# KiCad board analog_i.kicad_pcb (continued)
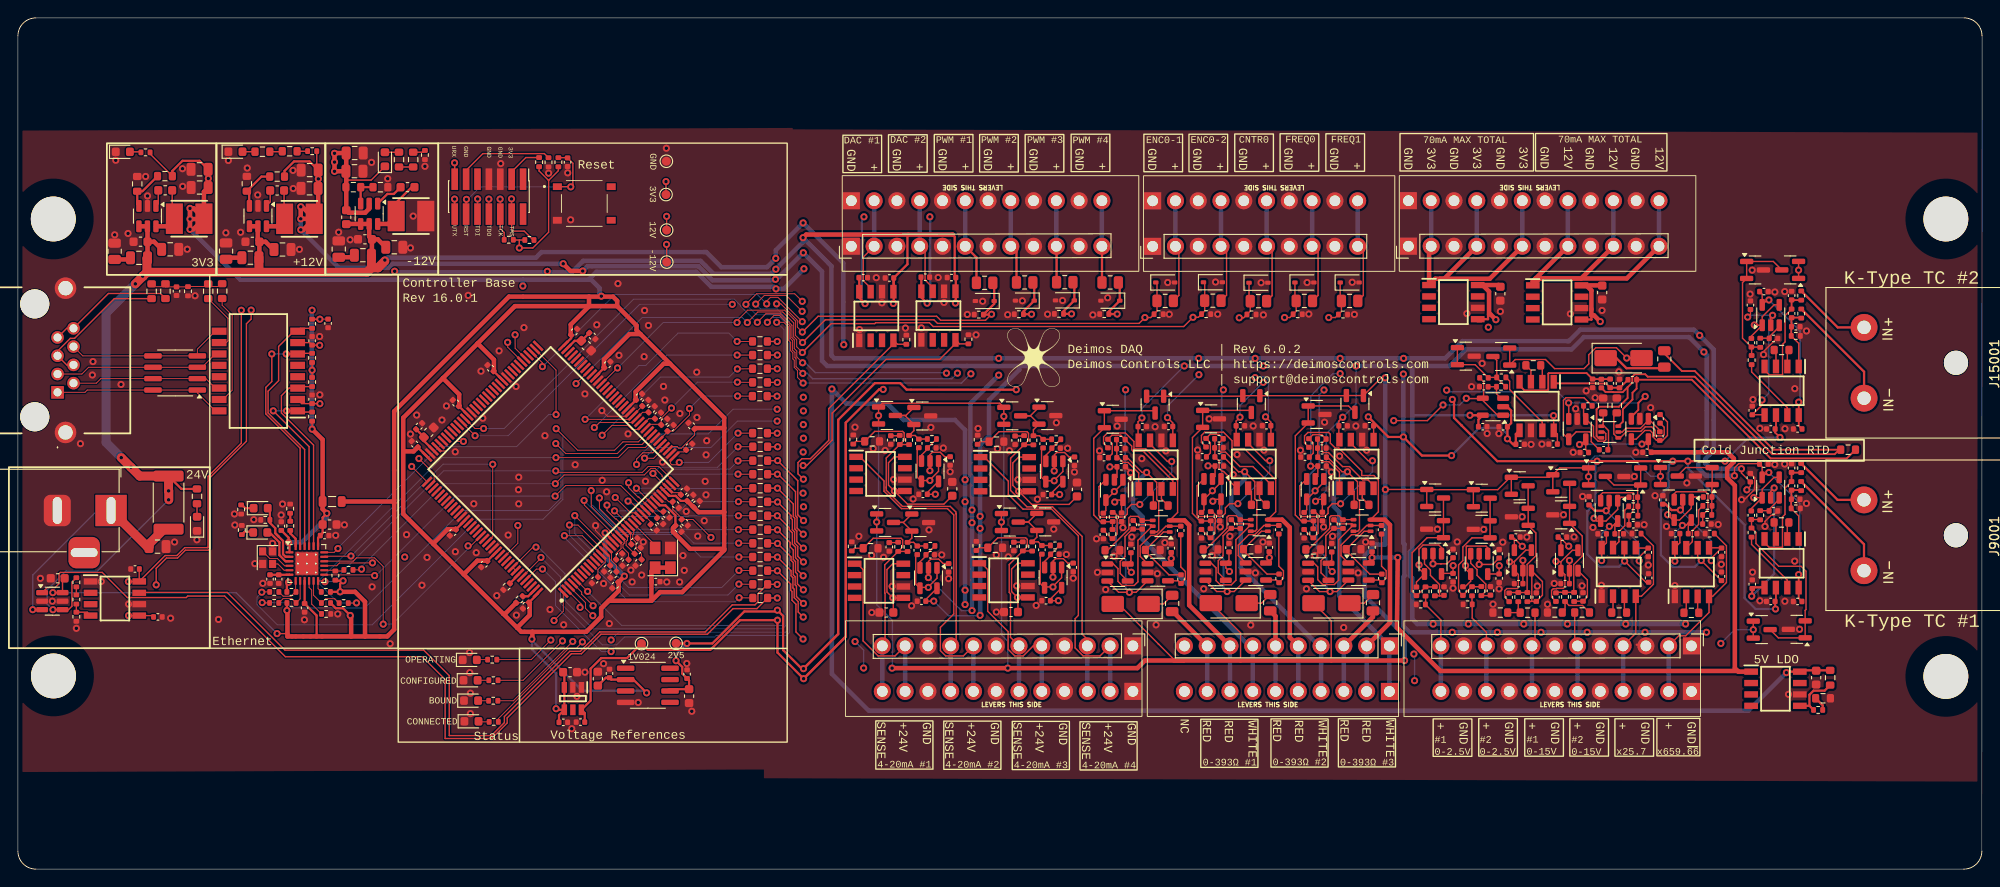
[diagram p0: board, top side]
## Routing (per net, layer and track width the routed paths; a pad name or vN(x,y) marks a point on that pad's centre or on a via; arc(x,y) is an arc through that point) (continued)
Net-(U7001-RXD1/MODE1): length 3.5
  Top w0.1: 30.97,30.98 30.45,30.46 29.58,30.46 R7003.1 ; 30.97,30.98 R7004.2 ; 30.97,30.98 U7001.7
Net-(U7001-RXER/PHYAD0): length 4.3
  Top w0.1: R7010.2 32.76,29.58 32.76,31.15 32.47,31.44 U7001.10
Net-(U7001-VDDCR): length 2.2
  Top w0.25: C7004.2 C7003.2 30.27,32.85 U7001.6
Net-(U7001-XTAL1/CLKIN): length 2.2
  Top w0.1: U7001.5 29.69,33.35 28.98,34.06 Y7001.3
Net-(U7001-XTAL2): length 3.7
  Top w0.1: Y7001.1 28.09,34.66 28.94,34.66 29.74,33.85 U7001.4
Net-(U7001-~{INT}/REFCLKO): length 2.3
  Top w0.1: R7007.1 36.22,33.27 R7009.2 35.31,33.35 U7001.14
Net-(U8001-+): length 25.9
  Top w0.15: 1.64,28.94 v1(1.65,28.95) U8001.3
  Top w1: 16.98,37.94 R8004.2 16.29,37.94 14.62,36.27 C8003.1 14.41,35.99 J8001.1
  Bottom w0.15: J8001.1 8.84,40.02 1.65,32.83 v1(1.65,28.95)
Net-(U13001-S1): length 8.8
  Top w0.15: U13001.1 138.66,37.7 R13006.1 136.66,35.56 139.29,32.93 R23001.1
Net-(U13001-S2): length 7.8
  Top w0.15: R13009.1 132.46,35.68 134.82,38.04 134.82,39.27 135,39.45 135.84,39.45 R23002.2 136.32,39 U13001.4
Net-(U15001-+): length 2.5
  Top w0.15: C15005.2 R15006.1 164.88,53.05 165.41,52.51
Net-(U17001-S1): length 8.8
  Top w0.15: R26001.1 150.75,32.92 148.11,35.55 R17006.1 150.12,37.7 U17001.1
Net-(U17001-S2): length 7.8
  Top w0.15: R17009.1 143.91,35.67 146.27,38.03 146.27,39.27 146.45,39.45 147.29,39.45 R26002.2 147.78,39 U17001.4
Net-(U17002-+): length 2.8
  Top w0.15: R17007.2 195.13,40 196.4,41.27 U17002.3
Net-(U19001-+): length 2.9
  Top w0.15: C19001.2 195.26,59.2 ; U19001.3 196.41,60.52 195.14,59.25 R19002.2
Net-(U21001-+): length 10.4
  Top w0.15: R21002.2 122.57,37.4 122.57,39.1 122.41,39.27 120.73,39.27 120.55,39.45 120.55,42.69 U21001.3 ; C21001.2 122.03,36.83 122.05,36.83
Net-(U24001-+): length 10.3
  Top w0.15: U24001.3 131.49,42.77 131.49,39.54 131.67,39.36 133.3,39.36 133.52,39.13 133.52,38.61 133.48,38.58 133.48,37.46 R24002.2 ; C24002.2 132.97,36.92 132.99,36.92
Net-(U27001-+): length 10.3
  Top w0.15: R27002.2 144.97,37.49 144.97,39.15 144.77,39.35 143.12,39.35 142.94,39.53 142.94,42.77 U27001.3 ; C27001.2 144.42,36.91 144.44,36.91
Net-(U29001-+): length 3.2
  Top w0.15: U29001.3 114.62,46.18 115.29,46.85 C29001.2 115.3,46.98 R29002.2
Net-(U31001-+): length 3.2
  Top w0.15: U31001.3 114.48,34.33 115.15,35 C31001.2 115.16,35.13 R31002.2
Net-(U33001-+): length 3.2
  Top w0.15: U33001.3 100.76,46.21 101.43,46.88 101.43,47.01 101.44,47.01 R33002.2
Net-(U35001-+): length 3.2
  Top w0.15: R35002.2 101.27,35.08 C35001.2 101.26,34.95 100.59,34.28 U35001.3
Net-(U37001-+): length 8.2
  Top w0.15: U37001.3 184.69,41.89 184.92,42.12 188.21,42.12 188.45,41.88 188.45,40.11 R37002.1 187.87,39.52 C37001.2
Net-(U39001-+): length 8.2
  Top w0.15: C39001.2 179.65,39.42 R39002.2 180.07,39.89 180.07,40.17 180.16,40.26 180.16,41.99 180.13,42.01 176.72,42.01 176.49,41.78 U39001.3
Net-(U41001-+): length 5
  Top w0.15: R41002.2 173.57,29.9 C41001.2 175.01,30.38 175.01,32.26 U41001.3
Net-(U43001-+): length 8.7
  Top w0.15: 168.82,29.88 C43001.2 170,30.57 170,32.09 U43001.3 168.82,33.27 168.82,29.88 168.82,29.88 ; 168.82,29.88 168.35,29.88 R43002.2
Net-(U45001-+): length 6.6
  Top w0.15: C45001.2 164.15,30.52 R45002.2 163.68,31.02 163.68,31.81 162.71,32.78 162.71,33.43 162,34.14 U45001.3
Net-(U47001-+): length 6.4
  Top w0.15: U47001.3 156.85,34.06 157.51,33.4 157.51,32.77 158.53,31.76 158.53,30.5 ; 158.53,30.5 158.97,30.5 C47001.2 ; 158.53,30.5 R47002.2
unconnected-(J6001-Pin_2-Pad2): length 1.3
  Top w0.1: 56.56,72.41 56.56,73.07 56.23,73.4 56.23,73.5 56.13,73.5

## Copper pours and planes (outline as drawn; the poured copper is in the pictures)
+3V3 on In2.Cu: 37.67,27.15 29.04,27.13 29,32.59 37.61,32.54
GND on Top, Bottom, In1.Cu, In2.Cu: 220.79,9.76 83.19,10.14 82.75,82.57 220.34,82.19
GND on Top, Bottom, In1.Cu, In2.Cu: -1.23,82.42 86.42,82.72 86.42,11.12 -1.23,10.83

## Text on the board
B.Silkscreen: Licensed Software Included in this Device / ----------------------------------------- / (MIT OR Apache-2.0) AND Unicode-DFS-2016 (1): unicode-ident / 0BSD (4): irq, managed, smoltcp, stm32h7xx-hal / Apache-2.0 OR MIT (39): array-macro, autocfg, bare-metal, / bare-metal, bitfield, bitflags, byte_struct, byte_struct_derive, / cast, cfg-if, cortex-m, cortex-m-rt, cortex-m-rt-macros, / critical-section, embedded-dma, embedded-hal, embedded-storage, / flaw, fugit, gcd, hash32, heapless, interpn, libm, nb, / nb, num-traits, panic-halt, paste, proc-macro2, quote, / rustc_version, semver, semver-parser, stable_deref_trait, / stm32h7, syn, vcell, volatile-register / Apache-2.0 OR MIT OR Unlicense (1): atomic_float / MIT (1): void / MIT OR Unlicense (1): byteorder | MIT License / ----------- / Permission is hereby granted, free of charge, to any person obtaining a copy of this software / and associated documentation files (the “Software”), to deal in the Software without restriction, / including without limitation the rights to use, copy, modify, merge, publish, distribute, sublicense, / and/or sell copies of the Software, and to permit persons to whom the Software is furnished to do so, / subject to the following conditions: / The above copyright notice and this permission notice shall be included in all copies or substantial / portions of the Software. / THE SOFTWARE IS PROVIDED “AS IS”, WITHOUT WARRANTY OF ANY KIND, EXPRESS OR IMPLIED, INCLUDING BUT NOT / LIMITED TO THE WARRANTIES OF MERCHANTABILITY, FITNESS FOR A PARTICULAR PURPOSE AND NONINFRINGEMENT. IN / NO EVENT SHALL THE AUTHORS OR COPYRIGHT HOLDERS BE LIABLE FOR ANY CLAIM, DAMAGES OR OTHER LIABILITY, / WHETHER IN AN ACTION OF CONTRACT, TORT OR OTHERWISE, ARISING FROM, OUT OF OR IN CONNECTION WITH THE / SOFTWARE OR THE USE OR OTHER DEALINGS IN THE SOFTWARE.
F.Silkscreen: URX | UTX | GND | RST | TDI | TDO | TCK | 3V3 | TMS | 12V | -12V | CONFIGURED | OPERATING | CONNECTED | BOUND | 1V024 | 2V5 | DAC #1 | 4-20mA #1 | DAC #2 | PWM #1 | 4-20mA #2 | PWM #2 | 4-20mA #3 | PWM #3 | PWM #4 | 4-20mA #4 | ENC0-1 | ENC0-2 | 0-393Ω #1 | CNTR0 | 0-393Ω #2 | FREQ0 | FREQ1 | 0-393Ω #3 | 70mA MAX TOTAL | #1 / 0-2.5V | #2 / 0-2.5V | #1 / 0-15V | #2 / 0-15V | x25.7 | x659.66 | + | SENSE | +24V | NC | RED | WHITE | Controller Base / Rev 16.0.1 | Deimos DAQ          | Rev 6.0.2 / Deimos Controls LLC | https://deimoscontrols.com / | support@deimoscontrols.com | Cold Junction RTD | 24V | +12V | Ethernet | Status | Reset | Voltage References | 5V LDO | K-Type TC #2 | K-Type TC #1
